# Altium PCB Spektrop2_Processor_Board_V1.PcbDoc (part 1 of 5) (continued)
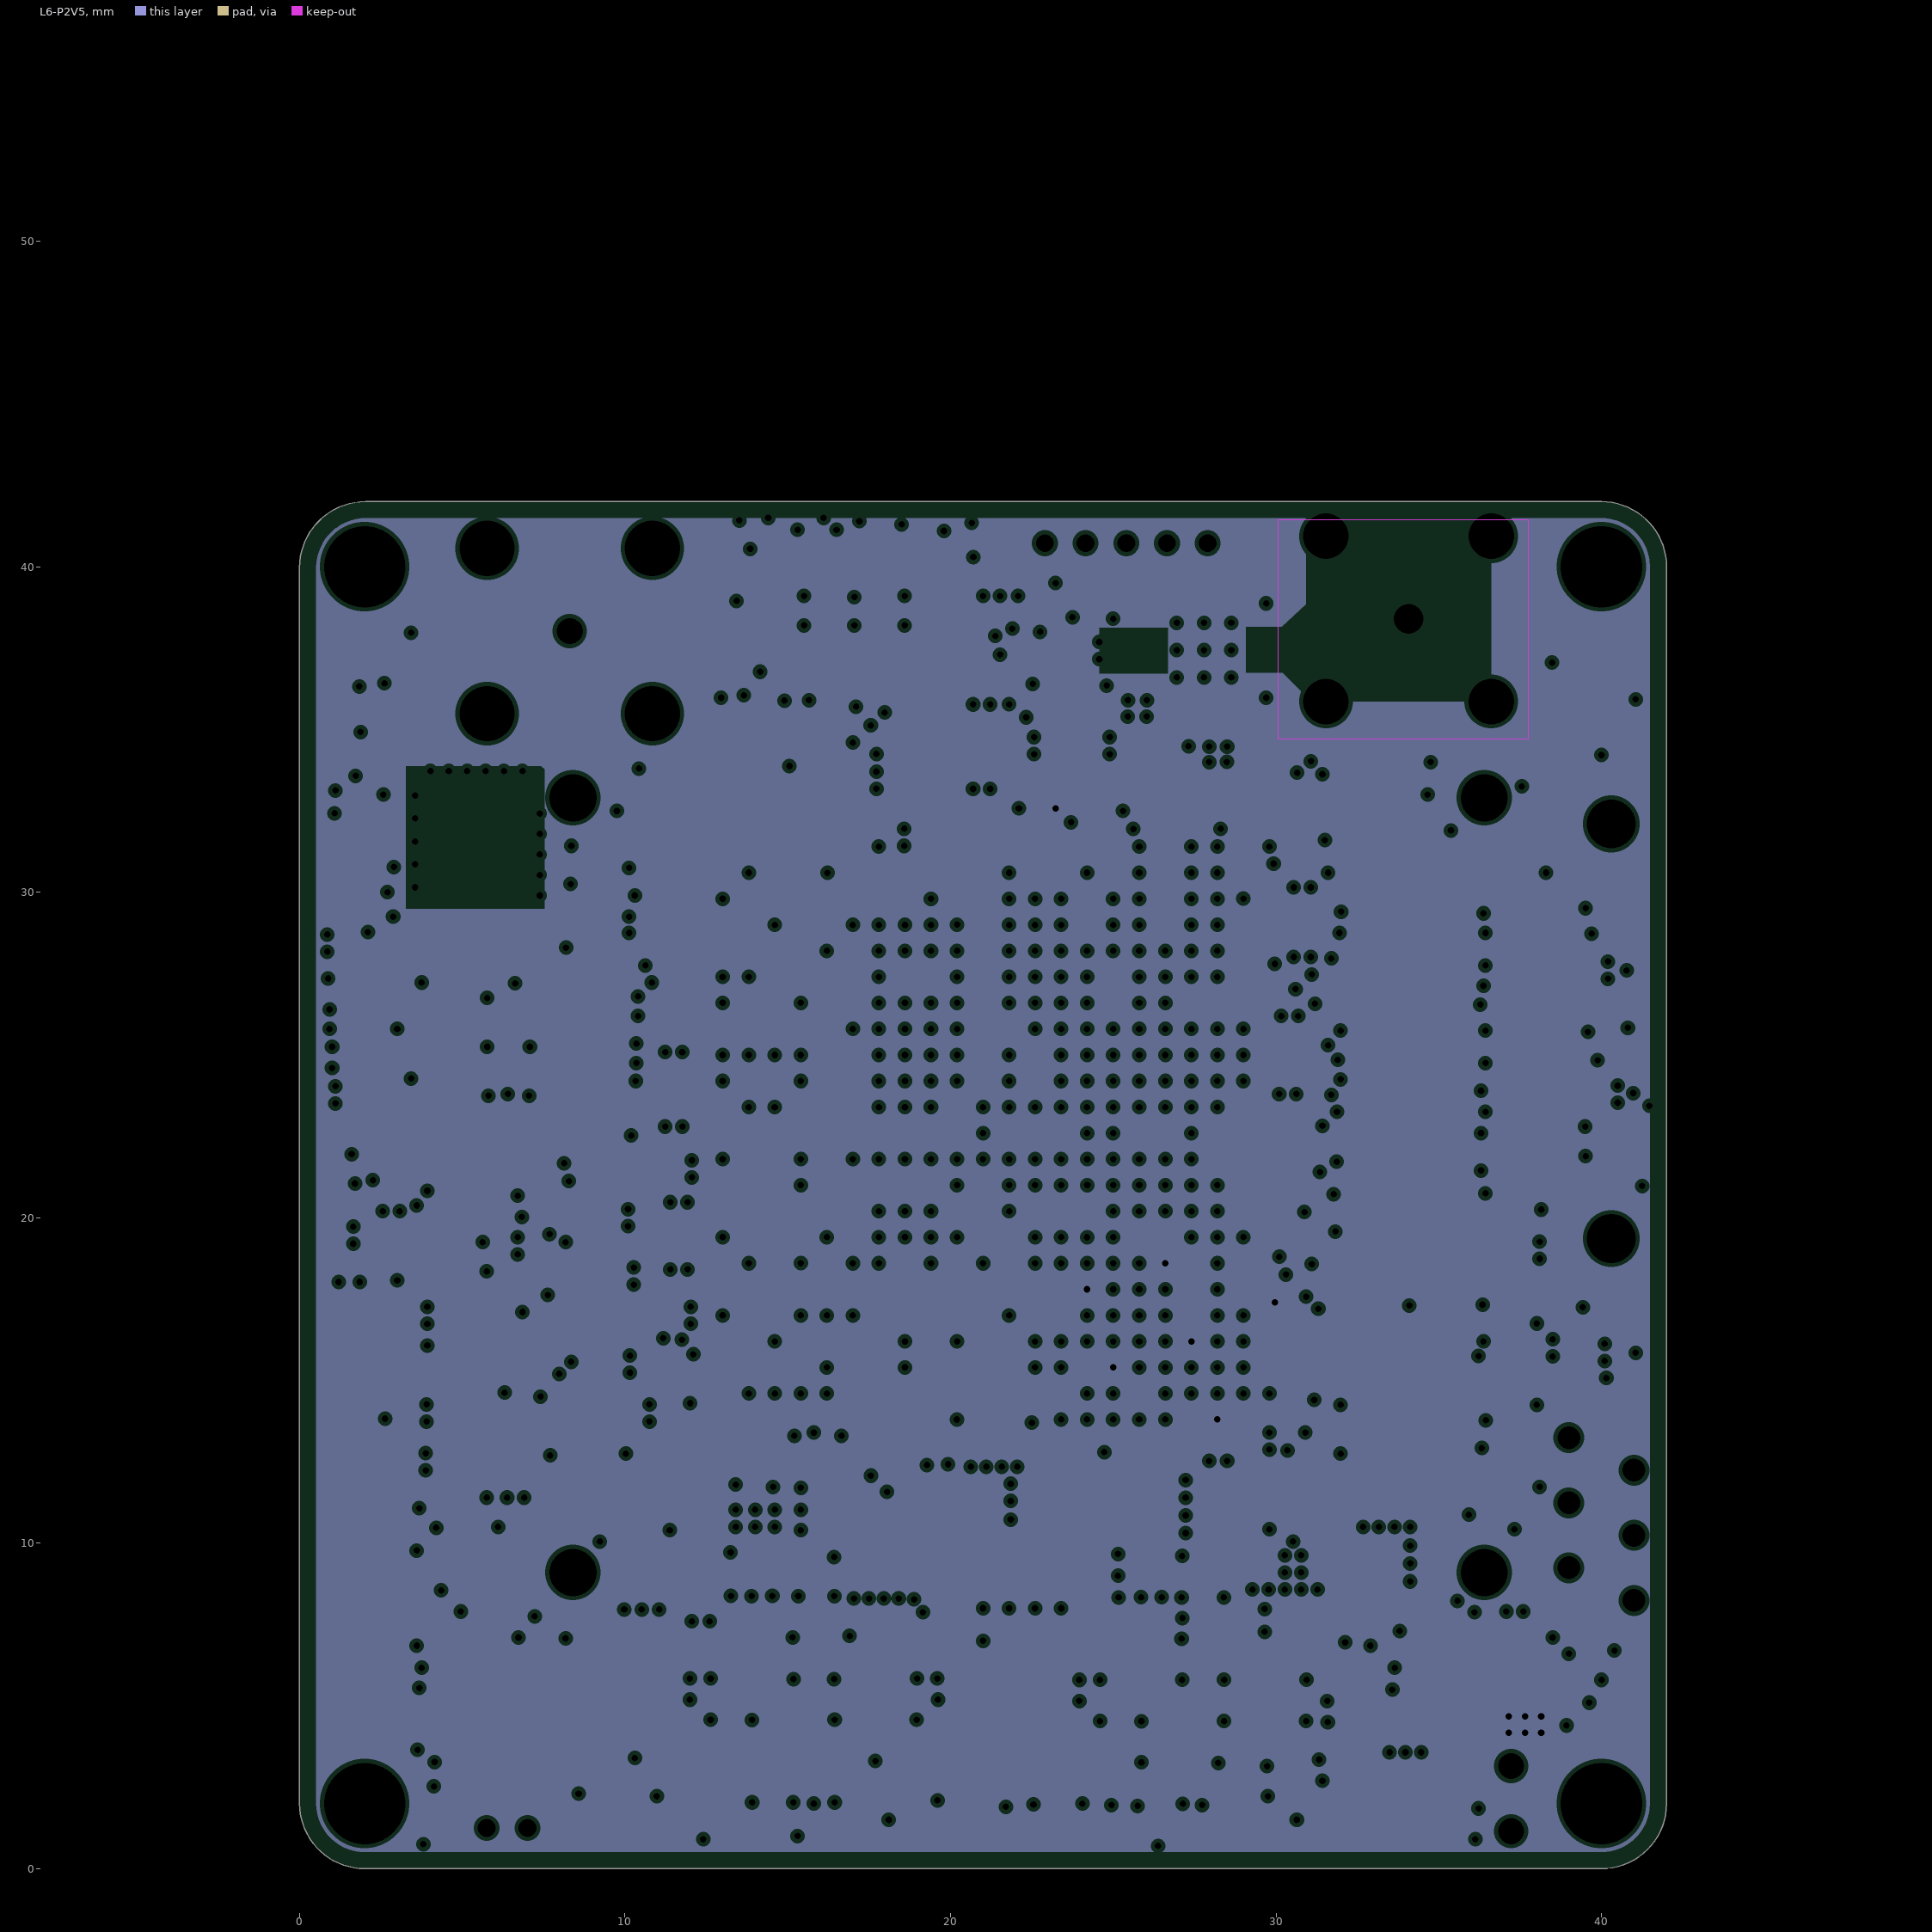
[diagram p7: L6-P2V5, clearances drawn from the general rule]
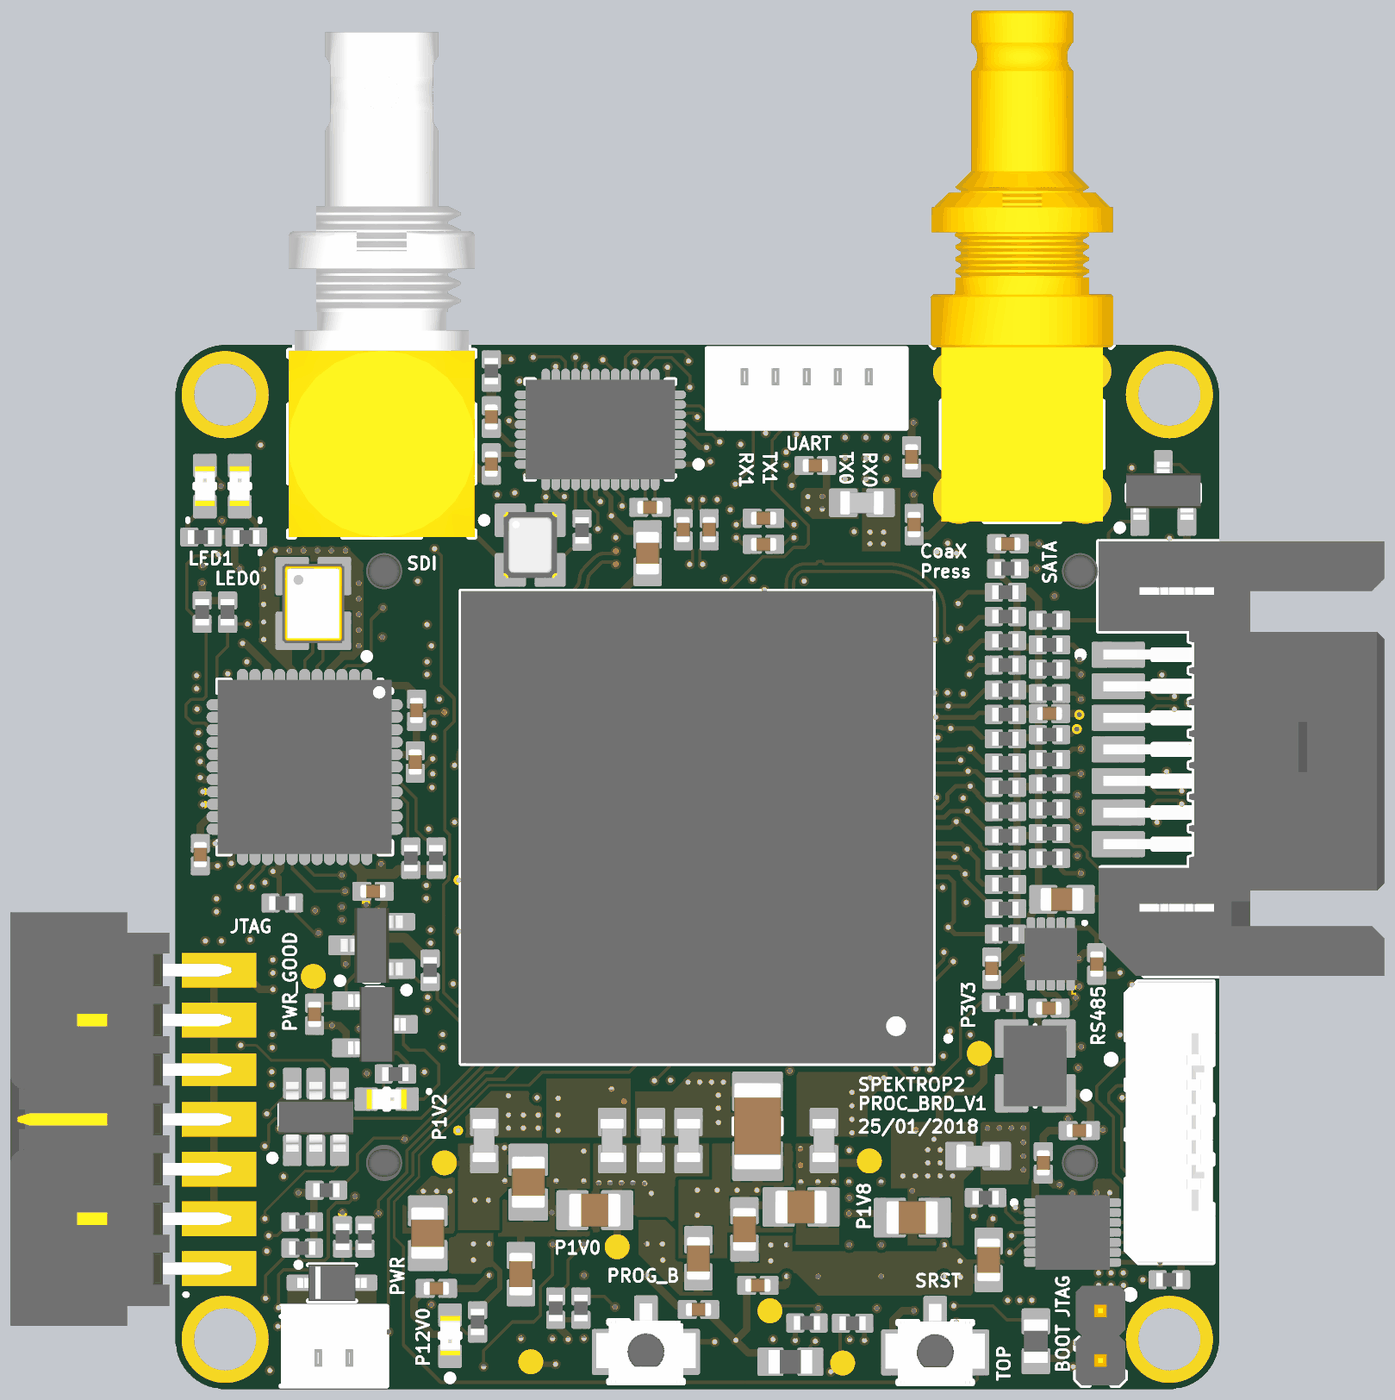
[diagram p12: 3D render of the assembled board from above, using the file's embedded part models]
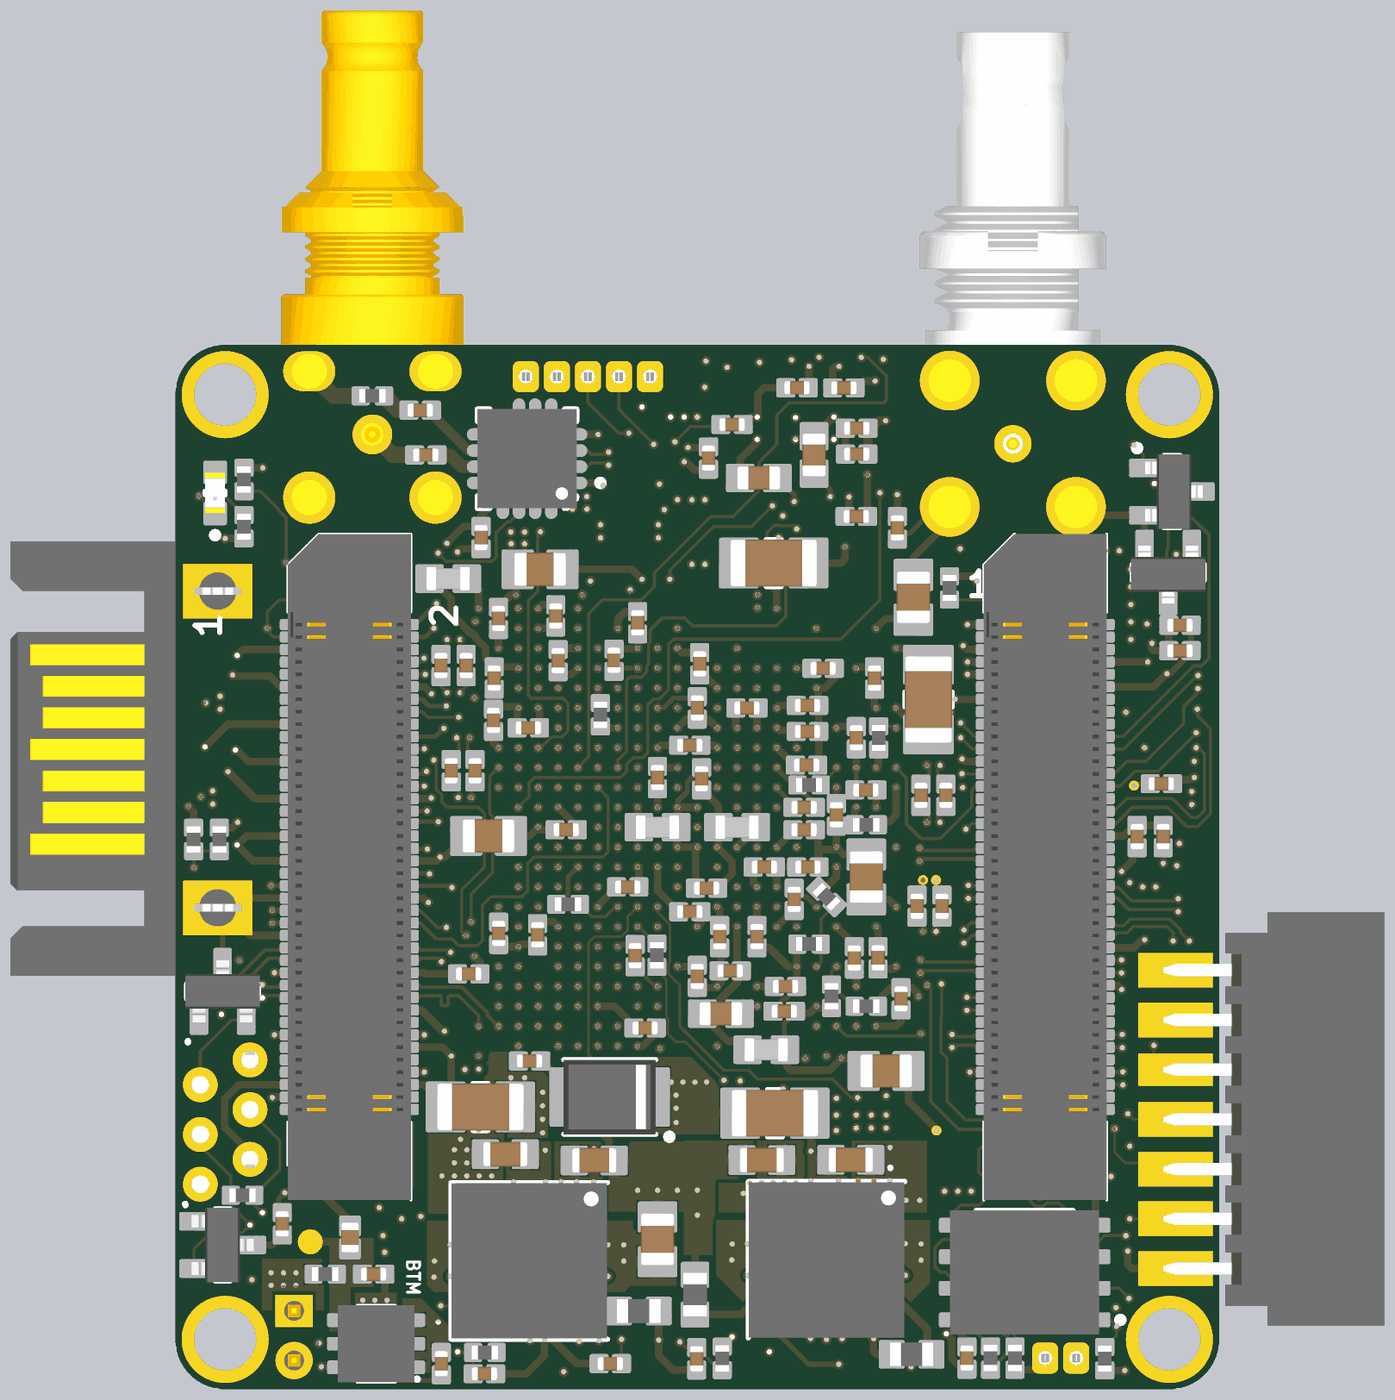
[diagram p13: 3D render of the assembled board from below, using the file's embedded part models]

## Layer stack, top to bottom
Top Solder: solder mask 0.0102, Solder Resist, Dk 3.5
TOP: signal copper 0.053
Dielectric 1: prepreg 0.11, FR-4, Dk 4.2
L1-GND: plane copper 0.018, net (Multiple Nets)
Dielectric 3: core 0.3, Dk 4.2
L2: signal copper 0.018
Dielectric 6: prepreg 0.11, Dk 4.2
L3-1V8: signal copper 0.035
Dielectric 5: core 0.3, Dk 4.2
L4-PWR: plane copper 0.035, net (Multiple Nets)
Dielectric 4: prepreg 0.11, Dk 4.2
L5: signal copper 0.018
Dielectric 7: core 0.3, Dk 4.2
L6-P2V5: plane copper 0.018, net P2V5
Dielectric 8: prepreg 0.11, Dk 4.2
BTM: signal copper 0.053
Bottom Solder: solder mask 0.0102, Solder Resist, Dk 3.5

## Board outline
0,39.975 0,2 ccw(c2,2) 2,0 40,0 ccw(c40,2) 42,2 42,40 ccw(c40,40) 40,42 2.025,42 ccw(c2.025,39.975)

## Design rules (kind name [scope] priority, off if disabled: settings)
AcuteAngle [All] p1: minimum=6.00000000000000E+0001 checktracksonly=FALSE
AssemblyTestPointUsage [All] p1 off: valid=2 allowmultiple=TRUE
AssemblyTestpoint [IsPad  And (TestpointAssy = 'True') Or  (IsPad AND InComponent('J2'))] p1 off: testpointundercomponent=TRUE minsize=0.2 maxsize=2.54 preferedsize=0.2 minholesize=0.2 maxholesize=2 preferedholesize=0.2 testpointgrid=2.54 usegrid=FALSE gridoriginx=144.775 gridoriginy=129.55 gridtolerance=0 allowsidebottom=TRUE minspacing=1 compbodyclearance=1
BoardOutlineClearance BoardOutlineClearance_Overlay [(IsTrack or IsArc) and OnLayer('Top Overlay')] p1: gap=0.2 ignorepadtopadclearanceinfootprint=FALSE except(0: Arc-OutlineEdge Arc-CavityEdge Arc-CutoutEdge Arc-SplitBarrior Arc-SplitContinuation Track-OutlineEdge Track-CavityEdge Track-CutoutEdge Track-SplitBarrior Track-SplitContinuation Text-OutlineEdge Text-CavityEdge Text-CutoutEdge Text-SplitBarrior Text-SplitContinuation)
BoardOutlineClearance BoardOutlineClearance_General [All] p2: gap=0.2 ignorepadtopadclearanceinfootprint=FALSE except(0: Text-OutlineEdge Text-CavityEdge Text-CutoutEdge Text-SplitBarrior Text-SplitContinuation)
BoardOutlineClearance BoardOutlineClearance_L3_L4 [OnLayer('L4-PWR') or OnLayer('L3-1V8')] p3: gap=2 ignorepadtopadclearanceinfootprint=FALSE except(0: Text-OutlineEdge Text-CavityEdge Text-CutoutEdge Text-SplitBarrior Text-SplitContinuation; 0.2: Arc-OutlineEdge Arc-CavityEdge Arc-CutoutEdge Arc-SplitBarrior Arc-SplitContinuation Track-OutlineEdge Track-CavityEdge Track-CutoutEdge Track-SplitBarrior Track-SplitContinuation)
Clearance Clearance_HSTL [InNetClass('FPGA_BANK34_HSTL_IN_IO[25..0]') vs InNetClass('FPGA_BANK34_HSTL_IN_IO[25..0]')] p1: gap=0.2 ignorepadtopadclearanceinfootprint=TRUE except(0: Arc-Hole Track-Hole SMDPad-Hole THPad-Hole Via-Hole Fill-Hole Poly-Hole Region-Hole Text-Hole; 0.1: Arc-SMDPad Arc-Via Track-SMDPad Track-Via; 0.125: SMDPad-Via; 0.18: Arc-Arc Arc-Track Track-Track)
Clearance Clearance_DIFF100 [InNetClass('DIFF100')] p2: gap=0.2 ignorepadtopadclearanceinfootprint=TRUE except(0: Arc-Hole Track-Hole SMDPad-Hole THPad-Hole Via-Hole Fill-Hole Poly-Hole Region-Hole Text-Hole; 0.1: Arc-SMDPad Track-SMDPad; 0.125: Arc-Via Track-Via SMDPad-Via THPad-Via Via-Via; 0.15: Arc-Arc Arc-Track Track-Track)
Clearance Clearance_75OHM [InNetClass('75OHM')] p3: gap=0.3 ignorepadtopadclearanceinfootprint=TRUE except(0: Arc-Hole Track-Hole SMDPad-Hole THPad-Hole Via-Hole Fill-Hole Poly-Hole Region-Hole Text-Hole; 0.2: Arc-Arc Arc-Track Arc-SMDPad Arc-Via Track-Track Track-SMDPad Track-Via SMDPad-SMDPad SMDPad-Via)
Clearance Clearance_BGA [WithinRoom('BGA')] p4: gap=0.1 ignorepadtopadclearanceinfootprint=TRUE except(0: Arc-Hole Track-Hole SMDPad-Hole THPad-Hole Via-Hole Fill-Hole Poly-Hole Region-Hole Text-Hole)
Clearance Clearance_DIFF_PAIRS [IsDifferentialPair vs IsDifferentialPair] p5: gap=0.5 ignorepadtopadclearanceinfootprint=TRUE except(0: Arc-Hole Track-Hole SMDPad-Hole THPad-Hole Via-Hole Fill-Hole Poly-Hole Region-Hole Text-Hole)
Clearance Clearance_PWR [InPolygon vs InNetClass('PWR')] p6: gap=0.125 ignorepadtopadclearanceinfootprint=FALSE except(0: Arc-Hole Track-Hole SMDPad-Hole THPad-Hole Via-Hole Fill-Hole Poly-Hole Region-Hole Text-Hole)
Clearance Clearance_POLY [InPolygon] p7: gap=0.125 ignorepadtopadclearanceinfootprint=FALSE except(0: Arc-Hole Track-Hole SMDPad-Hole THPad-Hole Via-Hole Fill-Hole Poly-Hole Region-Hole Text-Hole)
Clearance Clearance_General [All] p8: gap=0.125 ignorepadtopadclearanceinfootprint=TRUE except(0: Arc-Hole Track-Hole SMDPad-Hole THPad-Hole Via-Hole Fill-Hole Poly-Hole Region-Hole Text-Hole)
ComponentClearance ComponentClearance_1 [All] p1: gap=0.254 collisioncheckmode=3 verticalgap=0.254 showdistances=FALSE
ComponentClearance [All] p2: gap=0.1 collisioncheckmode=3 verticalgap=0.1 showdistances=FALSE
DiffPairsRouting [InDifferentialPairClass('All Differential Pairs')] p1: maxlimit=0.3 minlimit=0.15 mostfreqgap=0.22 toplayer_mingap=0.17 toplayer_prefgap=0.17 toplayer_minwidth=0.1 toplayer_maxwidth=0.3 toplayer_prefwidth=0.125 midlayer1_minwidth=0.1 midlayer1_maxwidth=0.3 midlayer1_prefwidth=0.1 midlayer2_prefgap=0.2 midlayer2_minwidth=0.1 midlayer2_maxwidth=0.3 midlayer2_prefwidth=0.1 midlayer3_minwidth=0.1 midlayer3_maxwidth=0.3 midlayer3_prefwidth=0.1 bottomlayer_mingap=0.17 bottomlayer_prefgap=0.17 bottomlayer_minwidth=0.1 bottomlayer_maxwidth=0.3 bottomlayer_prefwidth=0.125 maxuncoupledlength=3
FabricationTestPointUsage TestPointUsage [All] p1 off: valid=0 allowmultiple=FALSE
FabricationTestpoint Testpoint [All] p1 off: side=3 testpointundercomponent=TRUE minsize=1.016 maxsize=2.54 preferedsize=1.524 minholesize=0 maxholesize=1.016 preferedholesize=0.813 testpointgrid=0.025 allowsidetop=TRUE allowsidebottom=TRUE usegrid=TRUE gridtolerance=0
FanoutControl Fanout_BGA [IsBGA] p1: bgadir=Out bgaviamode=Centered fanoutstyle=BGA fanoutdirection=OutOnly viagrid=0.025 // Fanout_BGA (Default Rule)
FanoutControl Fanout_Default [All] p5: bgadir=Out bgaviamode=Centered fanoutstyle=BGA fanoutdirection=Alternating viagrid=0.025 // Fanout_Default (Default Rule)
HoleSize [All] p1: absolutevalues=TRUE maxlimit=5 minlimit=0.2 maxpercent=80.000 minpercent=20.000
HoleToHoleClearance [All] p1: gap=0.2 allowstackedmicrovias=FALSE
MatchedLengths MatchedLengths_MGT [InNetClass('MGT')] p1 off: tolerance=0.1 checknetsindiffpair=TRUE checkdiffpairvsdiffpair=FALSE checkxsignals=FALSE checkothers=FALSE
MatchedLengths [InDifferentialPairClass('All Differential Pairs')] p2 off: tolerance=0.3 checknetsindiffpair=TRUE checkdiffpairvsdiffpair=FALSE checkxsignals=FALSE checkothers=FALSE
MinimumSolderMaskSliver [All] p1: minsoldermaskwidth=0.075
ParallelSegment [InNetClass('DIFF100') vs InNetClass('DIFF100')] p1: limit=5 gap=0.125
PasteMaskExpansion [All] p1: expansion=0.075
PermittedLayers [All] p1: toplayerpermitted=TRUE bottomlayerpermitted=TRUE
PlaneClearance PlaneClearance_DIFF100 [InNetClass('DIFF100')] p1: clearance=0.2
PlaneClearance [All] p2: clearance=0.125
PlaneConnect [All] p1: planeconnectstyle=Direct reliefexpansion=0.508 reliefentries=4 reliefconductorwidth=0.381 reliefairgap=0.381
PolygonConnect PolygonConnect_P1V0_L [HasFootprint('BGA25C127P5X5_625X625X262') And OnLayer('BTM')] p1: connectstyle=Direct reliefconductorwidth=0.254 reliefentries=4 polygonreliefangle="90 Angle" airgapwidth=0.254
PolygonConnect PolygonConnect_PWR_FERRITE [HasFootprint('INDC1608X65N') And OnLayer('TOP')] p2: connectstyle=Direct reliefconductorwidth=0.254 reliefentries=4 polygonreliefangle="90 Angle" airgapwidth=0.254
PolygonConnect PolygonConnect_PWR_JUMPER [HasFootprint('RESC1005X40N') And OnLayer('TOP')] p3: connectstyle=Direct reliefconductorwidth=0.254 reliefentries=4 polygonreliefangle="90 Angle" airgapwidth=0.254
PolygonConnect PolygonConnect_PWR [InNetClass('PWR')] p4: thpad.connectstyle=Relief thpad.reliefconductorwidth=0.4 thpad.reliefentries=4 thpad.polygonreliefangle="90 Angle" thpad.airgapwidth=0.125 smdpad.connectstyle=Relief smdpad.reliefconductorwidth=0.4 smdpad.reliefentries=4 smdpad.polygonreliefangle="90 Angle" smdpad.airgapwidth=0.125 via.connectstyle=Direct via.reliefconductorwidth=0.2 via.reliefentries=4 via.polygonreliefangle="90 Angle" via.airgapwidth=0.2
PolygonConnect "Vias Direct Connect" [IsVia] p5: connectstyle=Direct reliefconductorwidth=0.254 reliefentries=4 polygonreliefangle="90 Angle" airgapwidth=0.254
PolygonConnect [All] p6: connectstyle=Direct reliefconductorwidth=0.2 reliefentries=4 polygonreliefangle="90 Angle" airgapwidth=0.2
RoomDefinition BGA [WithinRoom('BGA')] p1: confinementstyle=ConfineIn formatcopy=TRUE lockcomponents=FALSE outline 12.45,13.7 29.9,13.7 29.9,34.5 12.45,34.5
RoutingCorners RoutingCorners_rounded [InNetClass('75OHM')] p1: cornerstyle=Round minsetback=1.27 maxsetback=1.27
RoutingCorners [All] p2: cornerstyle=45-Degree minsetback=1.27 maxsetback=1.27
RoutingVias [All] p1: holewidth=0.2 width=0.4 viastyle="Through Hole" minholewidth=0.2 minwidth=0.4 maxholewidth=1 maxwidth=1.5
SignalStimulus [InNetClass('SCK')] p1: kind=2 level=0 starttime=10.00n stoptime=60.00n periodtime=100.00n
SilkToSilkClearance [All] p1: silktosilkclearance=0.125
SilkToSolderMaskClearance SilkscreenOverComponentPads [IsPad] p1: minsilkscreentomaskgap=0.125 clearancetoexposedcopper=TRUE
SolderMaskExpansion [All] p1: expansion=0
Width Width_JTAG [InNetClass('JTAG')] p1: maxlimit=1 minlimit=0.1 preferedwidth=0.1 checkconnectedcopper=TRUE
Width Width_CTRL [InNetClass('CTRL')] p2: maxlimit=1 minlimit=0.1 preferedwidth=0.1 checkconnectedcopper=TRUE
Width Width_BGA [WithinRoom('BGA')] p3: maxlimit=1 minlimit=0.1 preferedwidth=0.1 toplayer_prefwidth=0.125 bottomlayer_prefwidth=0.125 minimp=50.000000 maximp=50.000000 favimp=50.000000
Width Width_SE75 [InNetClass('75OHM')] p4: maxlimit=1 minlimit=0.1 preferedwidth=1 toplayer_prefwidth=0.65 midlayer1_minwidth=1 midlayer2_minwidth=1 midlayer3_minwidth=1 bottomlayer_prefwidth=0.65 minimp=50.000000 maximp=50.000000 favimp=50.000000 // Routed as coplanar waveguide on the top layer
Width Width_SE50 [InNetClass('SE50')] p5: maxlimit=0.2 minlimit=0.1 preferedwidth=0.12 toplayer_minwidth=0.125 toplayer_prefwidth=0.18 midlayer1_maxwidth=0.12 midlayer2_maxwidth=0.12 midlayer3_maxwidth=0.12 bottomlayer_minwidth=0.125 bottomlayer_prefwidth=0.18 minimp=50.000000 maximp=50.000000 favimp=50.000000
Width Width_PWR [InNetClass('PWR')] p6: maxlimit=5 minlimit=0.15 preferedwidth=0.3 midlayer1_minwidth=0.2 midlayer2_minwidth=0.2 midlayer3_minwidth=0.2 minimp=50.000000 maximp=50.000000 favimp=50.000000 checkconnectedcopper=TRUE
Width [All] p7: maxlimit=1 minlimit=0.1 preferedwidth=0.1 toplayer_minwidth=0.125 toplayer_prefwidth=0.125 bottomlayer_minwidth=0.125 bottomlayer_prefwidth=0.125 minimp=50.000000 maximp=50.000000 favimp=50.000000 checkconnectedcopper=TRUE
13 further rules are at their usual default settings.

## Classes and differential pairs
component class U_Zynq_FPGA_Bank35: LD6 LD7 R69 R70 T4 T5
net class FPGA_BANK34_HSTL_IO[3..0]: FPGA_BANK34_HSTL_IO0 FPGA_BANK34_HSTL_IO1 FPGA_BANK34_HSTL_IO2 FPGA_BANK34_HSTL_IO3
net class FPGA_BANK34_HSTL_IN_IO[25..0]: FPGA_BANK34_HSTL_IN_IO0 FPGA_BANK34_HSTL_IN_IO1 FPGA_BANK34_HSTL_IN_IO2 FPGA_BANK34_HSTL_IN_IO3 FPGA_BANK34_HSTL_IN_IO4 FPGA_BANK34_HSTL_IN_IO5 FPGA_BANK34_HSTL_IN_IO6 FPGA_BANK34_HSTL_IN_IO7 FPGA_BANK34_HSTL_IN_IO8 FPGA_BANK34_HSTL_IN_IO9 FPGA_BANK34_HSTL_IN_IO10 FPGA_BANK34_HSTL_IN_IO11 FPGA_BANK34_HSTL_IN_IO12 FPGA_BANK34_HSTL_IN_IO13 FPGA_BANK34_HSTL_IN_IO14 FPGA_BANK34_HSTL_IN_IO15 FPGA_BANK34_HSTL_IN_IO16 FPGA_BANK34_HSTL_IN_IO17 FPGA_BANK34_HSTL_IN_IO18 FPGA_BANK34_HSTL_IN_IO19 FPGA_BANK34_HSTL_IN_IO20 FPGA_BANK34_HSTL_IN_IO21 FPGA_BANK34_HSTL_IN_IO22 FPGA_BANK34_HSTL_IN_IO23 FPGA_BANK34_HSTL_IN_IO24 FPGA_BANK34_HSTL_IN_IO25
net class SE50: FPGA_BANK34_HSTL_IN_IO0 FPGA_BANK34_HSTL_IN_IO1 FPGA_BANK34_HSTL_IN_IO5 FPGA_BANK34_HSTL_IN_IO7 FPGA_BANK34_HSTL_IN_IO8 FPGA_BANK34_HSTL_IN_IO9 FPGA_BANK34_HSTL_IN_IO10 FPGA_BANK34_HSTL_IN_IO11 FPGA_BANK34_HSTL_IN_IO12 FPGA_BANK34_HSTL_IN_IO13 FPGA_BANK34_HSTL_IN_IO14 FPGA_BANK34_HSTL_IN_IO15 FPGA_BANK34_HSTL_IN_IO16 FPGA_BANK34_HSTL_IN_IO17 FPGA_BANK34_HSTL_IN_IO18 FPGA_BANK34_HSTL_IN_IO19 FPGA_BANK34_HSTL_IN_IO20 FPGA_BANK34_HSTL_IN_IO21 FPGA_BANK34_HSTL_IN_IO22 FPGA_BANK34_HSTL_IN_IO23 FPGA_BANK34_HSTL_IN_IO24 FPGA_BANK34_HSTL_IN_IO25 FPGA_BANK34_HSTL_IO0 FPGA_BANK34_HSTL_IO1 FPGA_BANK34_HSTL_IO2 FPGA_BANK34_HSTL_IO3 GS12281_GPIO1 PUDC_B SI5340_LOS_XAXBb Si5340_nLOL SI5340_nRST
net class DIFF100: CLK_MGT0_C_N CLK_MGT0_C_P CLK_MGT0_N CLK_MGT0_P CLK_MGT1_C_N CLK_MGT1_C_P CLK_MGT1_N CLK_MGT1_P FPGA_BANK35_DIFF1_N FPGA_BANK35_DIFF1_P FPGA_BANK35_DIFF2_N FPGA_BANK35_DIFF2_P FPGA_BANK35_DIFF3_N FPGA_BANK35_DIFF3_P FPGA_BANK35_DIFF4_N FPGA_BANK35_DIFF4_P FPGA_BANK35_DIFF5_N FPGA_BANK35_DIFF5_P FPGA_BANK35_DIFF6_N FPGA_BANK35_DIFF6_P FPGA_BANK35_DIFF7_N FPGA_BANK35_DIFF7_P FPGA_BANK35_DIFF8_N FPGA_BANK35_DIFF8_P FPGA_BANK35_DIFF9_N FPGA_BANK35_DIFF9_P FPGA_BANK35_DIFF10_N FPGA_BANK35_DIFF10_P FPGA_BANK35_DIFF11_N FPGA_BANK35_DIFF11_P FPGA_BANK35_DIFF12_N FPGA_BANK35_DIFF12_P FPGA_BANK35_DIFF13_N FPGA_BANK35_DIFF13_P FPGA_BANK35_DIFF14_N FPGA_BANK35_DIFF14_P FPGA_BANK35_DIFF15_N FPGA_BANK35_DIFF15_P FPGA_BANK35_DIFF16_N FPGA_BANK35_DIFF16_P FPGA_BANK35_DIFF17_N FPGA_BANK35_DIFF17_P FPGA_BANK35_DIFF18_N FPGA_BANK35_DIFF18_P FPGA_BANK35_DIFF19_N FPGA_BANK35_DIFF19_P MGT_RX0_C_N MGT_RX0_C_P MGT_RX0_N MGT_RX0_P MGT_TX0_C_N MGT_TX0_C_P MGT_TX0_N MGT_TX0_P MGT_TX1_C_N MGT_TX1_C_P MGT_TX1_N MGT_TX1_P MGT_TX2_C_N MGT_TX2_C_P MGT_TX2_N MGT_TX2_P
net class Bank34: BANK34_VRN BANK34_VRP COAXPRESS_UPLINK FPGA_BANK34_HSTL_IN_IO0 FPGA_BANK34_HSTL_IN_IO1 FPGA_BANK34_HSTL_IN_IO2 FPGA_BANK34_HSTL_IN_IO3 FPGA_BANK34_HSTL_IN_IO4 FPGA_BANK34_HSTL_IN_IO5 FPGA_BANK34_HSTL_IN_IO6 FPGA_BANK34_HSTL_IN_IO7 FPGA_BANK34_HSTL_IN_IO8 FPGA_BANK34_HSTL_IN_IO9 FPGA_BANK34_HSTL_IN_IO10 FPGA_BANK34_HSTL_IN_IO11 FPGA_BANK34_HSTL_IN_IO12 FPGA_BANK34_HSTL_IN_IO13 FPGA_BANK34_HSTL_IN_IO14 FPGA_BANK34_HSTL_IN_IO15 FPGA_BANK34_HSTL_IN_IO16 FPGA_BANK34_HSTL_IN_IO17 FPGA_BANK34_HSTL_IN_IO18 FPGA_BANK34_HSTL_IN_IO19 FPGA_BANK34_HSTL_IN_IO20 FPGA_BANK34_HSTL_IN_IO21 FPGA_BANK34_HSTL_IN_IO22 FPGA_BANK34_HSTL_IN_IO23 FPGA_BANK34_HSTL_IN_IO24 FPGA_BANK34_HSTL_IN_IO25 FPGA_BANK34_HSTL_IO0 FPGA_BANK34_HSTL_IO1 FPGA_BANK34_HSTL_IO2 FPGA_BANK34_HSTL_IO3 GS12281_GPIO0 GS12281_GPIO1 GS12281_GPIO2 GS12281_GPIO3 GS12281_nCS GS12281_SCLK GS12281_SDIN GS12281_SDOUT PUDC_B RS485_RX RS485_TX SI5340_LOS_XAXBb SI5340_nINTR Si5340_nLOL SI5340_nRST SI5340_SCL SI5340_SDA
net class Bank35: FPGA_BANK35_DIFF1_N FPGA_BANK35_DIFF1_P FPGA_BANK35_DIFF2_N FPGA_BANK35_DIFF2_P FPGA_BANK35_DIFF3_N FPGA_BANK35_DIFF3_P FPGA_BANK35_DIFF4_N FPGA_BANK35_DIFF4_P FPGA_BANK35_DIFF5_N FPGA_BANK35_DIFF5_P FPGA_BANK35_DIFF6_N FPGA_BANK35_DIFF6_P FPGA_BANK35_DIFF7_N FPGA_BANK35_DIFF7_P FPGA_BANK35_DIFF8_N FPGA_BANK35_DIFF8_P FPGA_BANK35_DIFF9_N FPGA_BANK35_DIFF9_P FPGA_BANK35_DIFF10_N FPGA_BANK35_DIFF10_P FPGA_BANK35_DIFF11_N FPGA_BANK35_DIFF11_P FPGA_BANK35_DIFF12_N FPGA_BANK35_DIFF12_P FPGA_BANK35_DIFF13_N FPGA_BANK35_DIFF13_P FPGA_BANK35_DIFF14_N FPGA_BANK35_DIFF14_P FPGA_BANK35_DIFF15_N FPGA_BANK35_DIFF15_P FPGA_BANK35_DIFF16_N FPGA_BANK35_DIFF16_P FPGA_BANK35_DIFF17_N FPGA_BANK35_DIFF17_P FPGA_BANK35_DIFF18_N FPGA_BANK35_DIFF18_P FPGA_BANK35_DIFF19_N FPGA_BANK35_DIFF19_P LED0 LED1
net class Bank13: FPGA_BANK13_IO0 FPGA_BANK13_IO1 FPGA_BANK13_IO2 FPGA_BANK13_IO3 FPGA_BANK13_IO4 FPGA_BANK13_IO5 FPGA_BANK13_IO6 FPGA_BANK13_IO7 FPGA_BANK13_IO8 FPGA_BANK13_IO9 FPGA_BANK13_IO10
net class 75OHM: NetC35_2 NetC36_1 NetC36_2 nSDO0 nSDO0_C SDO0 SDO0_C SDO_P
component class U_UHD_SDI: C74 C75 C76 C77 C78 C79 C80 C81 C82 C83 C84 C85 C86 C87 IC9 J10 OSC1 R34 R35
net class FPGA_BANK13_IO[10..0]: FPGA_BANK13_IO0 FPGA_BANK13_IO1 FPGA_BANK13_IO2 FPGA_BANK13_IO3 FPGA_BANK13_IO4 FPGA_BANK13_IO5 FPGA_BANK13_IO6 FPGA_BANK13_IO7 FPGA_BANK13_IO8 FPGA_BANK13_IO9 FPGA_BANK13_IO10
component class U_Zynq_FPGA_Bank34: C89 C90 C91 C92 C93 C171 IC11 LD3 LD? R42 R43 R44 R45 R46 R47 R48 R49 R50 R51 R52 R53 R54 R55 R56 R57 R58 R59 R60 R61 R62 R63 R64 R65 R66 R67 R68 R71 R72 R73 R? T?
component class U_Sensor_Board_Connectors_80_pin: J8 J9
component class U_SATA: J7
component class U_MGT_Clock_Generation: C41 C42 C43 C44 C45 C46 C47 C48 C49 IC3 Q1 R6 R7 R8 R9 R10 R11
net class JTAG: TCK TDI TDO TDO_R TMS
component class U_Zynq_PS: C164 C165 C166 C167 D5 D6 IC12 J3 J4 J11 J12 J13 LD8 OSC2 PB2 R75 R76 R77 R78 R79 R80 R81 R82 R83 R84 R85 R86 R87 R88 R89 R90 T6
component class U_Zynq_Power: C106 C107 C108 C109 C110 C111 C112 C113 C114 C115 C116 C117 C118 C119 C120 C121 C122 C123 C124 C125 C126 C127 C128 C129 C130 C131 C132 C133 C134 C135 C136 C137 C138 C139 C140 C141 C142 C143 C144 C145 C146 C147 C148 C149 C150 C151 C152 C153 C154 C155 C156 C157 C158 C159 C160 C161 C162 C163 L9 L10 L11 L12
component class U_Zynq_MGT: C4 C5 C94 C95 C96 C97 C98 C99 C100 C101 C102 C103 C104 C105 R74
component class U_Zynq_Config: C88 LD5 PB1 R36 R37 R38 R39 R40 R41 T3
net class PWR: GND MGTAVCC MGTAVTT P0V9 P1V0 P1V0_L P1V2 P1V2_F P1V8 P1V8_L P2V5 P2V5_R P3V3 P3V3_L P12V0
component class CoaXPress: C35 C36 C37 C38 C39 C40 IC2 J1 L2 R5
component class Power: C50 C51 C52 C53 C54 C55 C56 C57 C58 C59 C60 C61 C62 C63 C64 C65 C66 C67 C168 C169 C170 D1 IC4 IC5 IC13 J2 L3 L4 L5 L6 L7 L8 LD1 R12 R13 R14 R15 R16 R17 R18 R19 R20 R21 R91 TP5 TP6 TP7 TP8 TP9 TP10 TP11 TP12 TP16
component class RS485: C72 C73 C? D3 D4 IC8 J6 R31 R32 R33